# Altium PCB Traffic_Lignt_CU.PcbDoc (part 1 of 3) (continued)
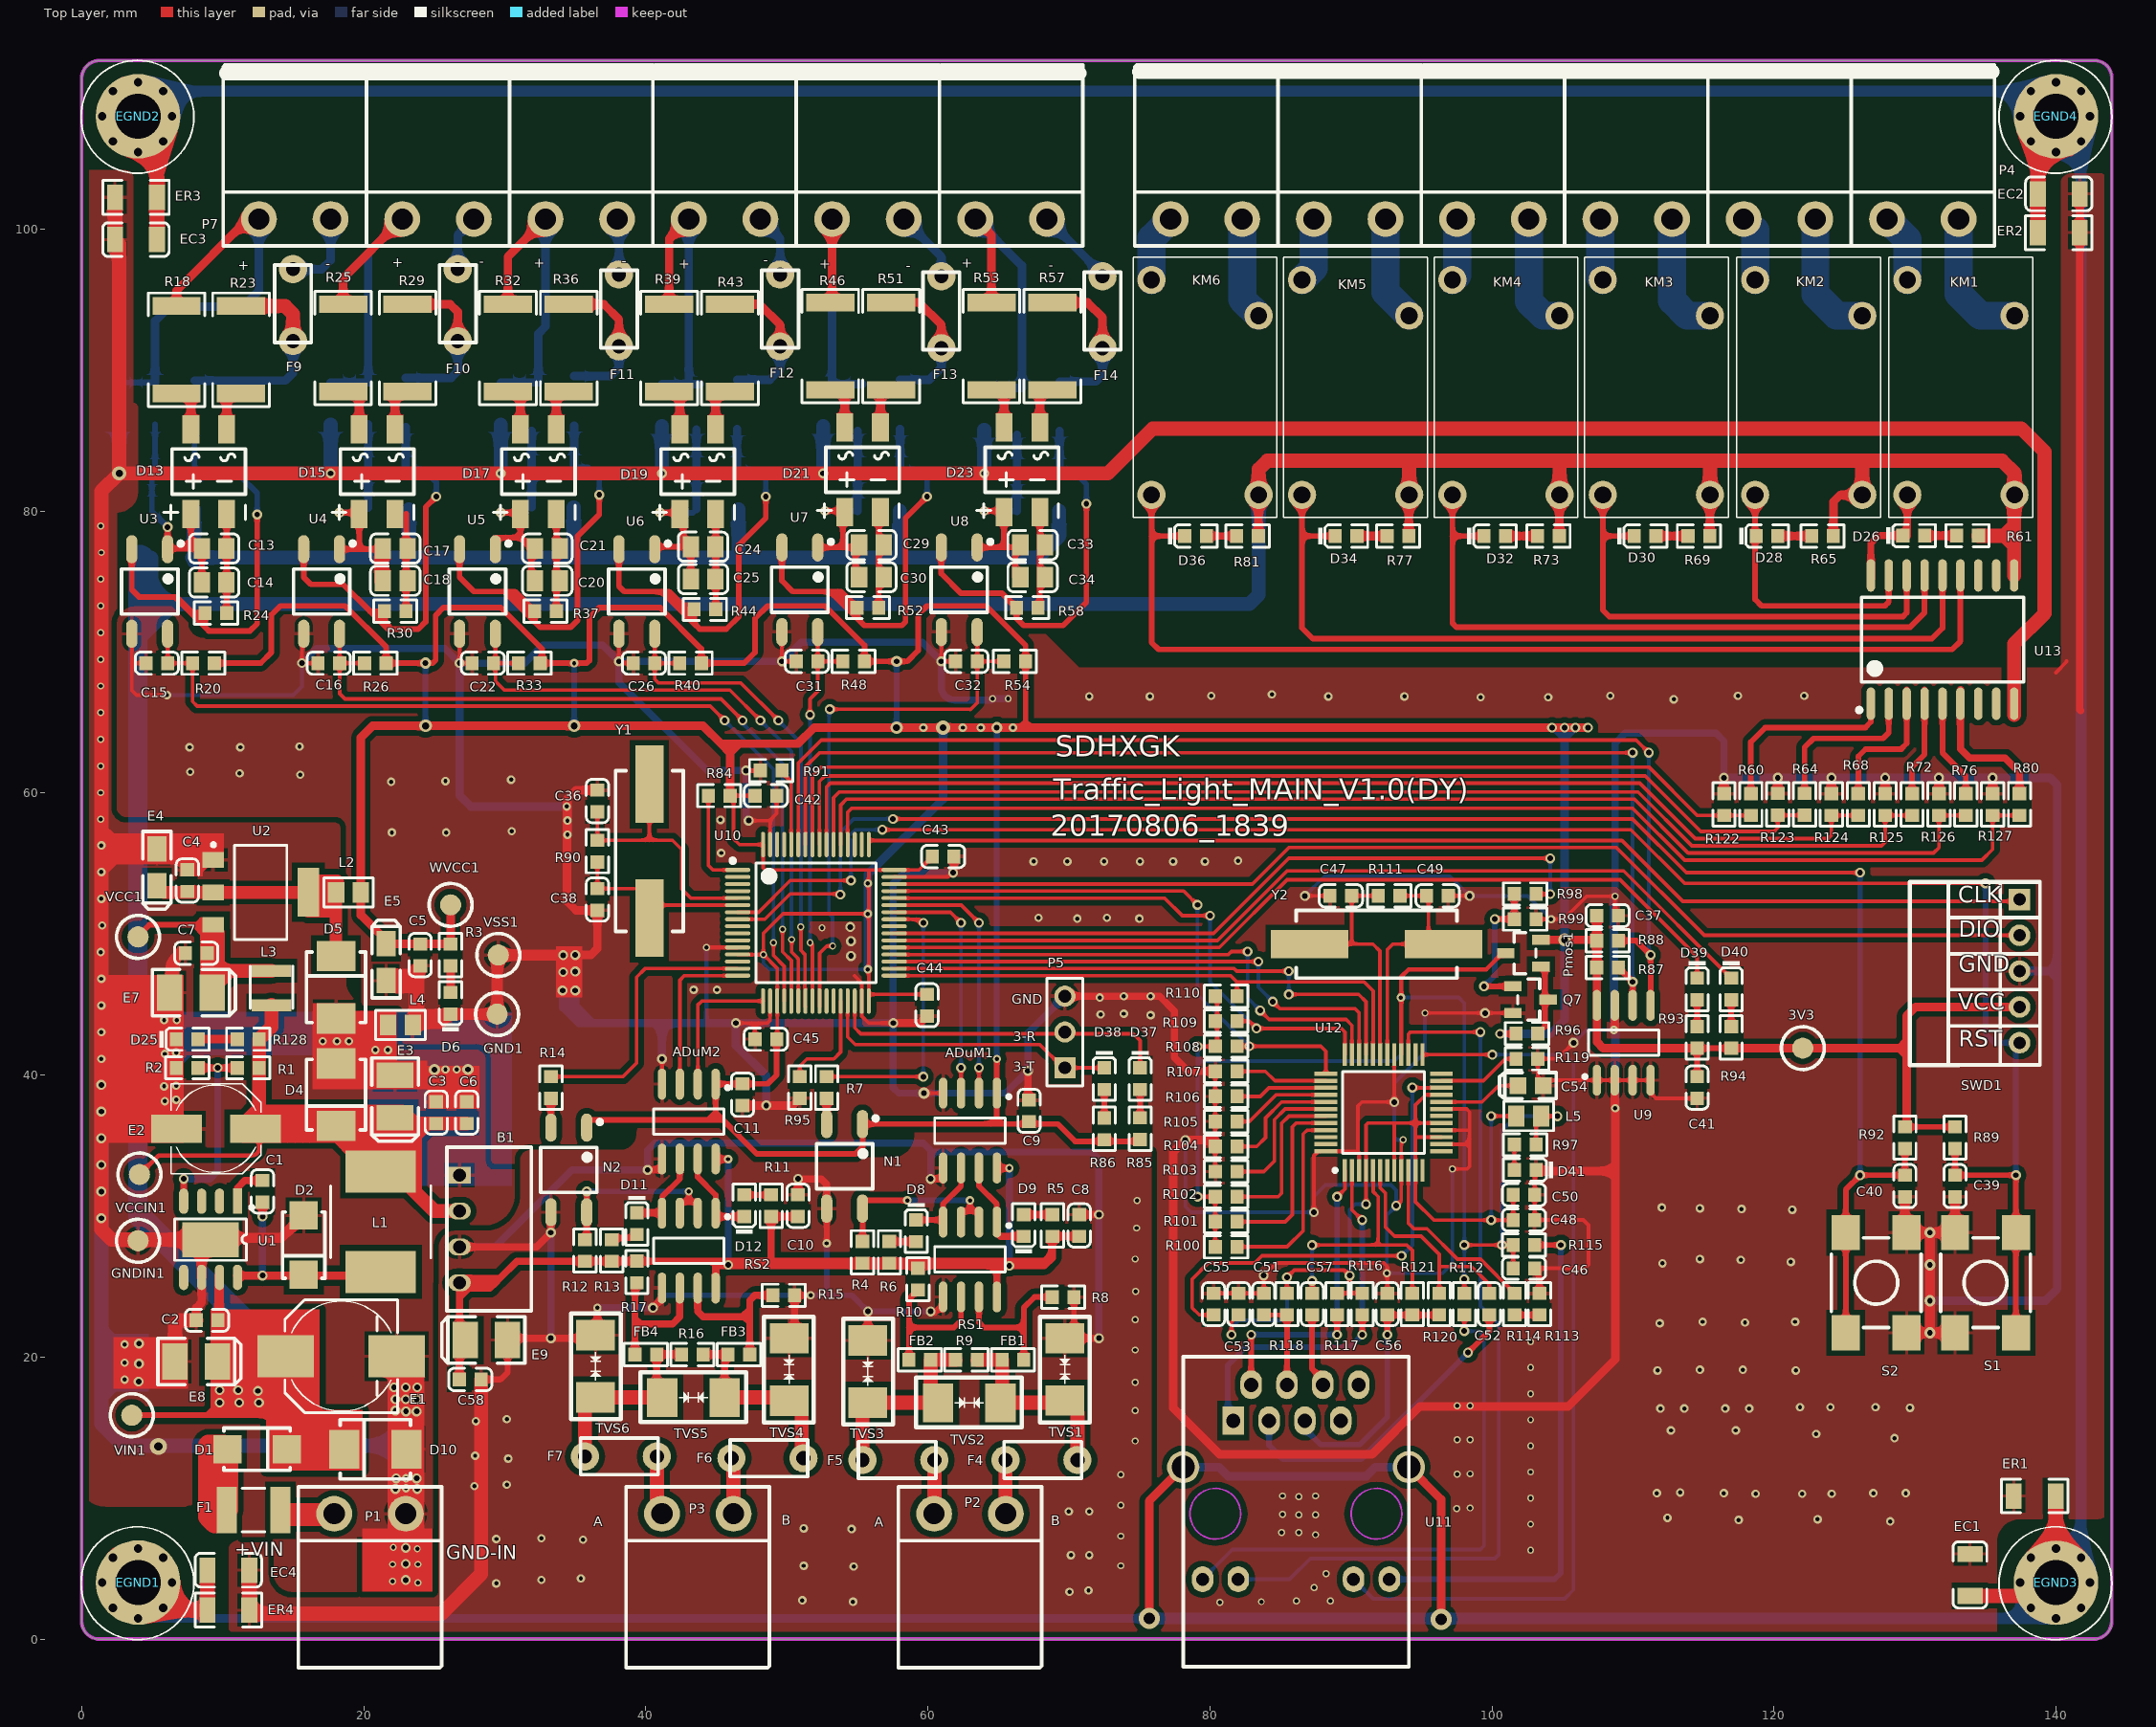
[diagram p0: Top Layer view]
## Components (designator, comment, footprint, x,y, rotation, side; value= is the part's Value field where it differs from the comment) (continued)
EGND2 "EGND" H-6-3.2m#2 4,108 r0 top
EGND3 "EGND" H-6-3.2m#2 140,4 r0 top
EGND4 "EGND" H-6-3.2m#2 140,108 r0 top
ER1 "1M" LC-1206_R 138.5,10.15 r180 top
ER2 "1M" LC-1206_R 140.2,99.75 r0 top
ER3 "1M" LC-1206_R 3.85,102.25 r180 top
ER4 "1M" LC-1206_R 10.4,2.05 r0 top
F1 "Fuse2" 1812 12.192,9.144 r180 top
F4 "JK250-120U" ntc250v 70.612,12.7 r180 top
F5 "JK250-120U" ntc250v 55.372,12.7 r0 top
F6 "JK250-120U" ntc250v 51.181,12.827 r180 top
F7 "JK250-120U" ntc250v 35.687,12.954 r0 top
F8 "Fuse1" LC-1206_R 6.35,76.708 r0 bottom
F9 "JK250-120U" ntc250v 14.986,97.155 r270 top
F10 "JK250-120U" ntc250v 26.67,97.155 r270 top
F11 "JK250-120U" ntc250v 38.1,96.774 r270 top
F12 "JK250-120U" ntc250v 49.53,96.774 r270 top
F13 "JK250-120U" ntc250v 60.96,96.647 r270 top
F14 "JK250-120U" ntc250v 72.39,96.647 r270 top
FB1 "0R" LC-0603_L 66.04,19.812 r0 top
FB2 "0R" LC-0603_L 59.436,19.812 r180 top
FB3 "0R" LC-0603_L 46.609,20.185 r0 top
FB4 "0R" LC-0603_L 40.005,20.185 r180 top
GND1 "CHECK" CHECK-B 29.464,44.323 r90 top
GNDIN1 "CHECK" CHECK-B 4,28.25 r180 top
KM1 "HK4100F-DC12-S" JCZ-32F 129.413,81.153 r90 top locked
KM2 "HK4100F-DC12-S" JCZ-32F 118.618,81.153 r90 top locked
KM3 "HK4100F-DC12-S" JCZ-32F 107.823,81.153 r90 top
KM4 "HK4100F-DC12-S" JCZ-32F 97.155,81.153 r90 top locked
KM5 "HK4100F-DC12-S" JCZ-32F 86.487,81.153 r90 top locked
KM6 "HK4100F-DC12-S" JCZ-32F 75.819,81.153 r90 top locked
L1 "Inductor" L-SMD-7 21.209,29.591 r90 top
L2 "Inductor" LC-0805_L 18.923,52.959 r0 top
L3 "22uh" L-SMD-3012 13.462,46.228 r90 top
L4 "Inductor" LC-0805_L 22.606,43.561 r0 top
L5 "1uH" LC-0805_L 102.616,37.092 r180 top
N1 "EL357" lc-sop-4_P2.54 54.102,33.528 r270 top
N2 "EL357" lc-sop-4_P2.54 34.544,33.274 r270 top
P1 "Header 2" D5.08-2P 17.907,8.89 r0 top
P2 "Header 2" D5.08-2P 60.452,8.89 r0 top
P3 "Header 2" D5.08-2P 41.148,8.89 r0 top
P4 "Header 12" F5.08-12P 133.096,100.711 r180 top locked
P5 "Header 3" HDR1X3 69.723,40.513 r90 top
P7 "12 HEADER" KF2EDG508-12 40.513,100.711 r0 top locked
Pmos1 "SI2301" LC-SOT-23(SOT-23-3) 102.235,48.649 r0 top
Q7 "S8050" LC-SOT-23(SOT-23-3) 102.743,45.347 r180 top
R1 "10K" LC-0603_R 11.811,40.513 r0 top
R2 "3.24K" LC-0603_R 7.493,40.513 r180 top
R3 "10K" LC-0603_R 26.162,48.514 r270 top
R4 "1K" LC-0603_R 55.372,27.432 r90 top
R5 "1K" LC-0603_R 68.834,29.337 r270 top
R6 "1K" LC-0603_R 57.277,27.432 r90 top
R7 "510R" LC-0603_R 52.832,39.116 r270 top
R8 "1K" LC-0603_R 69.596,24.257 r180 top
R9 "120R" LC-0603_R 62.738,19.812 r0 top
R10 "1K" LC-0603_R 59.309,25.527 r90 top
R11 "1K" LC-0603_R 48.895,30.734 r270 top
R12 "1K" LC-0603_R 35.687,27.559 r90 top
R13 "1K" LC-0603_R 37.592,27.559 r90 top
R14 "510R" LC-0603_R 33.274,39.116 r270 top
R15 "1K" LC-0603_R 49.784,24.376 r180 top
R16 "120R" LC-0603_R 43.307,20.185 r0 top
R17 "1K" LC-0603_R 39.37,26.035 r90 top
R18 "4302/1W" LC-2512_R 6.731,91.44 r270 top
R19 "Res1" LC-1206_R 6.477,80.137 r0 bottom
R20 "10K" LC-0603_R 8.636,69.215 r0 top
R21 "Res1" LC-1206_R 5.207,87.63 r90 bottom
R22 "Res1" LC-1206_R 2.54,87.63 r90 bottom
R23 "4302/1W" LC-2512_R 11.303,91.44 r270 top
R24 "1K" LC-0603_R 9.525,72.771 r0 top
R25 "4302/1W" LC-2512_R 18.542,91.567 r270 top
R26 "10K" LC-0603_R 20.828,69.215 r0 top
R27 "Res1" LC-1206_R 21.717,80.137 r180 bottom
R28 "Res1" LC-1206_R 20.32,87.63 r90 bottom
R29 "4302/1W" LC-2512_R 23.114,91.567 r270 top
R30 "1K" LC-0603_R 22.239,72.898 r0 top
R31 "Res1" LC-1206_R 17.653,87.63 r90 bottom
R32 "4302/1W" LC-2512_R 30.226,91.567 r270 top
R33 "10K" LC-0603_R 31.75,69.215 r0 top
R34 "Res1" LC-1206_R 33.401,80.264 r180 bottom
R35 "Res1" LC-1206_R 32.385,87.63 r90 bottom
R36 "4302/1W" LC-2512_R 34.544,91.567 r270 top
R37 "1K" LC-0603_R 32.893,72.898 r0 top
R38 "Res1" LC-1206_R 29.718,87.63 r90 bottom
R39 "4302/1W" LC-2512_R 41.656,91.567 r270 top
R40 "10K" LC-0603_R 43.18,69.215 r0 top
R41 "Res1" LC-1206_R 45.085,80.137 r180 bottom
R42 "Res1" LC-1206_R 43.815,87.503 r90 bottom
R43 "4302/1W" LC-2512_R 45.974,91.567 r270 top
R44 "1K" LC-0603_R 44.196,73.025 r0 top
R45 "Res1" LC-1206_R 41.148,87.503 r90 bottom
R46 "4302/1W" LC-2512_R 53.086,91.694 r270 top
R47 "Res1" LC-1206_R 56.515,80.01 r0 bottom
R48 "10K" LC-0603_R 54.737,69.342 r0 top
R49 "Res1" LC-1206_R 55.372,87.503 r90 bottom
R50 "Res1" LC-1206_R 52.578,87.503 r90 bottom
R51 "4302/1W" LC-2512_R 57.404,91.694 r270 top
R52 "1K" LC-0603_R 55.753,73.152 r0 top
R53 "4302/1W" LC-2512_R 64.516,91.694 r270 top
R54 "10K" LC-0603_R 66.167,69.342 r0 top
R55 "Res1" LC-1206_R 67.818,80.01 r180 bottom
R56 "Res1" LC-1206_R 66.675,87.249 r90 bottom
R57 "4302/1W" LC-2512_R 68.834,91.694 r270 top
R58 "1K" LC-0603_R 67.056,73.152 r0 top
R59 "Res1" LC-1206_R 64.008,87.249 r90 bottom
R60 "200R" LC-0603_R 118.364,59.19 r270 top
R61 "1K" LC-0603_R 133.731,78.254 r180 top
R64 "200R" LC-0603_R 122.174,59.198 r270 top
R65 "1K" LC-0603_R 123.444,78.232 r180 top
R68 "200R" LC-0603_R 125.984,59.19 r270 top
R69 "1K" LC-0603_R 114.681,78.232 r180 top
R72 "200R" LC-0603_R 129.794,59.19 r270 top
R73 "1K" LC-0603_R 104.013,78.232 r180 top
R76 "200R" LC-0603_R 133.604,59.19 r270 top
R77 "1K" LC-0603_R 93.345,78.232 r180 top
R80 "200R" LC-0603_R 137.414,59.19 r270 top
R81 "1K" LC-0603_R 82.677,78.232 r180 top
R84 "0R" LC-0603_R 45.212,59.817 r180 top
R85 "10K" LC-0603_R 75.057,36.195 r90 top
R86 "10K" LC-0603_R 72.517,36.187 r90 top
R87 "10K" LC-0603_R 108.204,47.625 r0 top
R88 "10K" LC-0603_R 108.204,49.53 r0 top
R89 "10K" LC-0603_R 132.842,35.56 r90 top
R90 "1M" LC-0603_R 36.576,55.88 r90 top
R91 "10K" LC-0603_R 48.895,61.595 r0 top
R92 "10K" LC-0603_R 129.286,35.56 r90 top
R93 "1K" LC-0603_R 114.554,42.672 r90 top
R94 "1K" LC-0603_R 116.967,42.672 r90 top
R95 "10K" LC-0603_R 50.927,39.116 r90 top
R96 "10K" LC-0603_R 102.489,42.934 r180 top
R97 "1K" LC-0603_R 102.362,35.06 r0 top
R98 "2K" LC-0603_R 102.362,52.84 r0 top
R99 "10K" LC-0603_R 102.362,51.062 r180 top
R100 "10K" LC-0603_R 81.153,27.821 r0 top
R101 "10K" LC-0603_R 81.153,29.599 r0 top
R102 "10K" LC-0603_R 81.153,31.377 r0 top
R103 "10K" LC-0603_R 81.153,33.155 r0 top
R104 "10K" LC-0603_R 81.153,34.933 r0 top
R105 "10K" LC-0603_R 81.153,36.711 r0 top
R106 "10K" LC-0603_R 81.153,38.489 r0 top
R107 "10K" LC-0603_R 81.153,40.267 r0 top
R108 "10K" LC-0603_R 81.153,42.045 r0 top
R109 "10K" LC-0603_R 81.153,43.823 r0 top
R110 "10K" LC-0603_R 81.153,45.601 r0 top
R111 "1M" LC-0603_R 92.718,52.717 r180 top
R112 "1K" LC-0603_R 98.044,23.757 r90 top
R113 "10K" LC-0603_R 103.378,23.757 r90 top
R114 "2.4K" LC-0603_R 101.6,23.757 r270 top
R115 "1K" LC-0603_R 102.274,27.948 r180 top
R116 "49R9" LC-0603_R 90.805,23.757 r270 top
R117 "49R9" LC-0603_R 89.027,23.757 r270 top
R118 "10R" LC-0603_R 85.471,23.757 r270 top
R119 "10K" LC-0603_R 102.489,41.156 r0 top
R120 "82R" LC-0603_R 96.266,23.757 r270 top
R121 "82R" LC-0603_R 94.361,23.757 r270 top
R122 "2K" LC-0603_R 116.459,59.19 r90 top
R123 "2K" LC-0603_R 120.269,59.198 r90 top
R124 "2K" LC-0603_R 124.079,59.19 r90 top
R125 "2K" LC-0603_R 127.889,59.19 r90 top
R126 "2K" LC-0603_R 131.699,59.19 r90 top
R127 "2K" LC-0603_R 135.509,59.19 r90 top
R128 "1K" LC-0603_R 11.811,42.545 r180 top
RS1 "MAX3085E" SOIC-8 62.992,26.924 r270 top
RS2 "MAX3085E" SOIC-8 43.053,27.551 r270 top
S1 "SW-PB4" SW_PB4_A1 135.001,25.273 r90 top
S2 "SW-PB4" SW_PB4_A1 127.254,25.273 r90 top
SWD1 "Header 5" SWD-5 145.542,49.911 r0 top
TVS1 "P6KE6.8CA" TVS 69.723,16.891 r90 top
TVS2 "P6KE6.8CA" TVS 60.706,16.764 r0 top
TVS3 "P6KE6.8CA" TVS 55.753,21.209 r270 top
TVS4 "P6KE6.8CA" TVS 50.165,16.883 r90 top
TVS5 "P6KE6.8CA" TVS 41.148,17.137 r0 top
TVS6 "P6KE6.8CA" TVS 36.449,21.582 r270 top
U1 "TPS5430" TPS5430 11.049,31.115 r270 top
U2 "ASM1117" SOT223 12.7,52.959 r270 top
U3 "EL357N(B)(TA)-G" LC-SOP-4_P2.54 4.826,74.295 r270 top
U4 "EL357N(B)(TA)-G" LC-SOP-4_P2.54 17.018,74.295 r270 top
U5 "EL357N(B)(TA)-G" LC-SOP-4_P2.54 28.067,74.295 r270 top
U6 "EL357N(B)(TA)-G" LC-SOP-4_P2.54 39.37,74.295 r270 top
U7 "EL357N(B)(TA)-G" LC-SOP-4_P2.54 50.927,74.422 r270 top
U8 "EL357N(B)(TA)-G" LC-SOP-4_P2.54 62.23,74.422 r270 top
U9 "AT24C256CSSHLT" SOIC-8 109.347,42.291 r90 top
U10 "STM32F103RET6-64" LC-LQFP-64_10x10x05P 52.07,50.8 r270 top
U11 "HR911105A" HR911105A 94.107,12.192 r270 top locked
U12 "W5500" LQFP48 92.329,37.346 r180 top locked
U13 "ULN2803" LC-SOIC-18_300mil 131.953,70.888 r0 top
VCC1 "CHECK" CHECK-B 4,49.8 r90 top
VCCIN1 "CHECK" CHECK-B 4.1,32.95 r180 top
VIN1 "CHECK" CHECK-B 3.556,15.875 r90 top
VSS1 "CHECK" CHECK-B 29.55,48.514 r90 top
WVCC1 "CHECK" CHECK-B 26.162,52.07 r180 top
Y1 "X49SM8MSD2SI" LC-HC-49SMD 40.259,55.88 r90 top
Y2 "25MHz" LC-HC-49SMD 91.821,49.276 r0 top

## Footprints (in the part's own frame and the unit in brackets; to place one, negate y for a bottom-side part, rotate by r counter-clockwise, add the part's x,y. Pads: shape width x height; smd on the part's side, far side on the other; paste and mask are expansions set on the pad)
1812 [mm] "Chip Capacitor, Body 4.5x3.2mm, I"
  rect 1.4x3.3 smd: 1(-1.9,0) 2(1.9,0)
  silkscreen extent -0.8,-1.55 0.8,1.55, body extent -2.4,-1.7 2.4,1.7, height 1.4
B0505D-1WR2 [mm]
  rect 1.2x1.6 hole 0.9: 1(0,0)
  oval 1.2x1.6 hole 0.9: 2(2.54,0) 3(5.08,0) 4(7.62,0)
  silkscreen extent -1.99,-0.9 9.61,5.1
C-RB-SD6 [mm] "贴片"
  rect 3.6x2 smd: 1(-2.794,0) 2(2.794,0)
  silkscreen extent -3.2,-3.2 3.2,3.2
C-RB-SD8 [mm] "贴片"
  rect 4x3 smd: 1(-3.937,0) 2(3.937,0)
  silkscreen extent -4,-4 4,4, body extent -3.95,-3.99 4.02,3.99, height 8
CHECK-B [mm]
  round 1.5 smd: 1(0,0)
  silkscreen extent -1.52,-1.52 1.52,1.52
D5.08-2P [mm]
  round 2.54 hole 1.5: 1(0,0) 2(5.08,0)
  silkscreen extent -2.54,-10.92 7.62,1.91
F5.08-12P [mm]
  round 2.54 hole 1.5: 1(0,0) 2(5.08,0) 3(10.16,0) 4(15.24,0) 5(20.32,0) 6(25.4,0) 7(30.48,0) 8(35.56,0) 9(40.64,0) 10(45.72,0) 11(50.8,0) 12(55.88,0)
  silkscreen extent -2.54,-10.92 58.42,1.91
H-6-3.2m#1 [mm]
  round 6 hole 3.2: 0(0.009,0.009)
  silkscreen extent -4.04,-4.04 3.96,3.96
H-6-3.2m#2 [mm]
  round 6 hole 3.2: 0(0,0)
  silkscreen extent -4.04,-4.04 3.96,3.96
HDR1X3 [mm] "Connector; Heade"
  rect 1.5x1.5 hole 0.9: 1(0,0)
  round 1.5 hole 0.9: 2(2.54,0) 3(5.08,0)
  silkscreen extent -1.27,-1.27 6.35,1.27
HR911105A [mil]
  rect 80x60 hole 40: 1(-130,-490)
  oval 80x60 hole 40: 2(-230,-440) 3(-130,-390) 4(-230,-340) 5(-130,-290) 6(-230,-240) 7(-130,-190) 8(-230,-140)
  oval 72x60 hole 36: 9(312.91,-575.63) 10(312.91,-476) 11(312.91,-154.13) 12(312.91,-54)
  round 90 hole 65: 13(-0.08,-629.76) 14(-0.08,0.16)
  Keep-Out Layer circle w5: c130,-90 r70.8
  Keep-Out Layer circle w5: c130,-540 r70.8
  silkscreen extent -309,-630 557,0
JCZ-32F [mm]
  round 2 hole 1.2: 1(0,-7.645) 2(0,-0.045) 3(12.7,-7.645) 4(15.24,-0.045)
  silkscreen extent -1.6,-8.95 16.84,1.25
KF2EDG508-12 [mm]
  round 2.54 hole 1.5: 1(27.94,0) 2(22.86,0) 3(17.78,0) 4(12.7,0) 5(7.62,0) 6(2.54,0) 7(-2.54,0) 8(-7.62,0) 9(-12.7,0) 10(-17.78,0) 11(-22.86,0) 12(-27.94,0)
  silkscreen extent -30.48,-1.91 30.48,10.92
L-SMD-7 [mm]
  rect 3x5 smd: 1(-3.556,0) 2(3.556,0)
  silkscreen extent -2.54,-3.56 2.54,3.56, body extent -3.56,-3.56 3.56,3.56, height 4
L-SMD-3012 [mm]
  rect 0.85x2.8 smd: 1(-1.27,0) 2(1.168,0)
  silkscreen extent -1.5,-1.5 1.5,1.5, body extent -1.8,-1.6 1.7,1.6, height 4
LC-0603_C [mm]
  rect 0.93x0.98 smd: 1(-0.77,0) 2(0.77,0)
  silkscreen extent -1.53,-0.79 1.54,0.79, body extent -0.8,-0.4 0.8,0.4, height 0.3
LC-0603_L [mm]
  rect 0.93x0.98 smd: 1(-0.77,0) 2(0.77,0)
  silkscreen extent -1.53,-0.79 1.54,0.79, body extent -0.82,-0.41 0.83,0.41, height 0.46
LC-0603_LED_S1 [mm]
  rect 0.93x0.98 smd: A(0.77,0) K(-0.77,0)
  silkscreen extent -1.98,-0.79 1.54,0.79, body extent -0.8,-0.4 0.8,0.4, height 0.6
LC-0603_R [mm]
  rect 0.93x0.98 smd: 1(-0.77,0) 2(0.77,0)
  silkscreen extent -1.54,-0.79 1.54,0.79, body extent -0.85,-0.4 0.85,0.4, height 0.56
LC-0805_C [mm]
  rect 1.16x1.47 smd: 1(-0.875,0) 2(0.875,0)
  silkscreen extent -1.76,-1.04 1.76,1.04, body extent -1,-0.62 1,0.62, height 0.77
LC-0805_L [mm]
  rect 1.16x1.47 smd: 1(-0.875,0) 2(0.875,0)
  silkscreen extent -1.76,-1.04 1.76,1.03, body extent -1.02,-0.64 1.03,0.64, height 0.6
LC-1206_C [mm]
  rect 1.13x1.8 smd: 1(-1.49,0) 2(1.49,0)
  silkscreen extent -2.36,-1.2 2.35,1.2, body extent -1.6,-0.81 1.6,0.79, height 1
LC-1206_R [mm]
  rect 1.13x1.8 smd: 1(-1.49,0) 2(1.49,0)
  silkscreen extent -2.36,-1.2 2.35,1.2, body extent -1.7,-0.86 1.65,0.87, height 0.85
LC-2512_R [mm]
  rect 1.25x3.42 smd: 1(-3.1,0) 2(3.1,0)
  silkscreen extent -4.03,-2.01 4.02,2.01, body extent -3.16,-1.6 3.16,1.6, height 0.62
LC-CASE-A_3216 [mm]
  rect 1.8x1.35 smd: 1(1.31,0) 2(-1.31,0)
  silkscreen extent -2.54,-1 2.97,1, body extent -1.7,-0.84 1.7,0.84, height 1.71
LC-CASE-B_3528 [mm]
  rect 1.8x2.6 smd: 1(1.5,0) 2(-1.5,0)
  silkscreen extent -2.73,-1.65 3.16,1.65, body extent -1.85,-1.47 1.85,1.46, height 2.03
LC-CASE-R_2012 [mm]
  rect 1.2x1.2 smd: 1(0.9,0) 2(-0.9,0)
  silkscreen extent -1.83,-0.93 2.2,0.93, body extent -1,-0.65 1,0.65, height 1.2
LC-HC-49SMD [mm]
  rect 5.5x2 smd: 1(-4.75,0) 2(4.75,0)
  silkscreen extent -5.7,-2.4 5.7,2.4, body extent -6.7,-2.46 6.7,2.44, height 4
LC-LL-34 [mm]
  rect 0.9x1.5 smd: 1(1.75,0) 2(-1.75,0)
  silkscreen extent -1.8,-1.08 1.8,1.08
LC-LQFP-64_10x10x05P [mm]
  oval 0.28x1.8 smd mask+0.051: 1(-3.75,-5.55) 2(-3.25,-5.55) 3(-2.75,-5.55) 4(-2.25,-5.55) 5(-1.75,-5.55) 6(-1.25,-5.55) 7(-0.75,-5.55) 8(-0.25,-5.55) 9(0.25,-5.55) 10(0.75,-5.55) 11(1.25,-5.55) 12(1.75,-5.55) 13(2.25,-5.55) 14(2.75,-5.55) 15(3.25,-5.55) 16(3.75,-5.55) 33(3.75,5.55) 34(3.25,5.55) 35(2.75,5.55) 36(2.25,5.55) 37(1.75,5.55) 38(1.25,5.55) 39(0.75,5.55) 40(0.25,5.55) 41(-0.25,5.55) 42(-0.75,5.55) 43(-1.25,5.55) 44(-1.75,5.55) 45(-2.25,5.55) 46(-2.75,5.55) 47(-3.25,5.55) 48(-3.75,5.55)
  oval 1.8x0.28 smd mask+0.051: 17(5.55,-3.75) 18(5.55,-3.25) 19(5.55,-2.75) 20(5.55,-2.25) 21(5.55,-1.75) 22(5.55,-1.25) 23(5.55,-0.75) 24(5.55,-0.25) 25(5.55,0.25) 26(5.55,0.75) 27(5.55,1.25) 28(5.55,1.75) 29(5.55,2.25) 30(5.55,2.75) 31(5.55,3.25) 32(5.55,3.75) 49(-5.55,3.75) 50(-5.55,3.25) 51(-5.55,2.75) 52(-5.55,2.25) 53(-5.55,1.75) 54(-5.55,1.25) 55(-5.55,0.75) 56(-5.55,0.25) 57(-5.55,-0.25) 58(-5.55,-0.75) 59(-5.55,-1.25) 60(-5.55,-1.75) 61(-5.55,-2.25) 62(-5.55,-2.75) 63(-5.55,-3.25) 64(-5.55,-3.75)
  silkscreen extent -4.55,-6.05 4.25,4.25
LC-MBS [mm]
  rect 2x1.2 smd: 1(3,-1.27) 2(-3,1.27) 3(3,1.27) 4(-3,-1.27)
  silkscreen extent -3.4,-2.6 1.6,3.2
LC-SMA(DO-214AC)_S1 [mm]
  rect 2x2 smd: 1(2.1,0) 2(-2.1,0)
  silkscreen extent -2.35,-1.5 2.35,1.5
LC-SMB(DO-214AA)_S1 [mm]
  rect 2.159x2.743 smd: 1(2.21,0) 2(-2.21,0)
  silkscreen extent -2.5,-2.1 2.5,2.1
LC-SOIC-18_300mil [mm]
  oval 0.6x2.3 smd: 1(-5.08,-4.55) 2(-3.81,-4.55) 3(-2.54,-4.55) 4(-1.27,-4.55) 5(0,-4.55) 6(1.27,-4.55) 7(2.54,-4.55) 8(3.81,-4.55) 9(5.08,-4.55) 10(5.08,4.55) 11(3.81,4.55) 12(2.54,4.55) 13(1.27,4.55) 14(0,4.55) 15(-1.27,4.55) 16(-2.54,4.55) 17(-3.81,4.55) 18(-5.08,4.55)
  silkscreen extent -6.05,-5.15 5.75,3
lc-sop-4_P2.54 [mm]
  oval 2x0.8 smd: 1(-3,1.27) 2(-3,-1.27) 3(3,-1.27) 4(3,1.27)
  silkscreen extent -3.55,-2 1.6,2.35
LC-SOP-4_P2.54 [mm]
  oval 2x0.8 smd: 1(-3,1.27) 2(-3,-1.27) 3(3,-1.27) 4(3,1.27)
  silkscreen extent -3.55,-2 1.6,2.35
LC-SOT-23(SOT-23-3) [mm]
  rect 1.25x0.7 smd: 1(1.25,-0.95) 2(1.25,0.95) 3(-1.25,0)
  silkscreen extent -0.65,-1.46 0.9,1.46, body extent -1.5,-1.5 1.5,1.5, height 1.3
LQFP48 [mm]
  rect 0.3x1.6 smd: 1(2.75,4.1) 2(2.25,4.1) 3(1.75,4.1) 4(1.25,4.1) 5(0.75,4.1) 6(0.25,4.1) 7(-0.25,4.1) 8(-0.75,4.1) 9(-1.25,4.1) 10(-1.75,4.1) 11(-2.25,4.1) 12(-2.75,4.1) 25(-2.75,-4.1) 26(-2.25,-4.1) 27(-1.75,-4.1) 28(-1.25,-4.1) 29(-0.75,-4.1) 30(-0.25,-4.1) 31(0.25,-4.1) 32(0.75,-4.1) 33(1.25,-4.1) 34(1.75,-4.1) 35(2.25,-4.1) 36(2.75,-4.1)
  rect 1.6x0.3 smd: 13(-4.1,2.75) 14(-4.1,2.25) 15(-4.1,1.75) 16(-4.1,1.25) 17(-4.1,0.75) 18(-4.1,0.25) 19(-4.1,-0.25) 20(-4.1,-0.75) 21(-4.1,-1.25) 22(-4.1,-1.75) 23(-4.1,-2.25) 24(-4.1,-2.75) 37(4.1,-2.75) 38(4.1,-2.25) 39(4.1,-1.75) 40(4.1,-1.25) 41(4.1,-0.75) 42(4.1,-0.25) 43(4.1,0.25) 44(4.1,0.75) 45(4.1,1.25) 46(4.1,1.75) 47(4.1,2.25) 48(4.1,2.75)
  silkscreen extent -2.9,-2.9 3.57,4.22
ntc250v [mm]
  round 2 hole 1: 1(0,0) 2(5.1,0)
  silkscreen extent -0.3,-1.3 5.2,1.3
SOIC-8 [mm]
  oval 2.2x0.6 smd: 1(-2.654,1.905) 2(-2.654,0.635) 3(-2.654,-0.635) 4(-2.654,-1.905) 5(2.654,-1.905) 6(2.654,-0.635) 7(2.654,0.635) 8(2.654,1.905)
  silkscreen extent -2.52,-2.5 0.9,2.88, body extent -3,-2.45 3,2.45, height 1.7
SOT223 [mm]
  rect 1.1x1.55 smd: 1(-2.3,-3.375) 2(0,-3.375) 3(2.3,-3.375)
  rect 3.45x1.55 smd: 4(0,3.375)
  silkscreen extent -3.5,-3.48 3.35,1.85, body extent -3.25,-3.48 3.25,3.48, height 1.7
SW_PB4_A1 [mm]
  rect 2.5x2 smd: 1(-3.556,2.159) 2(-3.556,-2.159) 3(3.556,-2.159) 4(3.556,2.159)
  silkscreen extent -3.17,-3.17 3.17,3.17, body extent -3.18,-3.18 3.18,3.18, height 6
SWD-5 [mil]
  rect 60.63x60 hole 35: 1(-320,100)
  oval 60.63x60 hole 35: 2(-320,0) 3(-320,-100) 4(-320,-200) 5(-320,-300)
  silkscreen extent -627,-362 -263,150
TPS5430 [mm]
  rect 1.8x0.65 smd: 1(0.061,0)
  oval 1.8x0.65 smd: 2(0.061,-1.27) 3(0.061,-2.54) 4(0.061,-3.81) 5(5.461,-3.81) 6(5.461,-2.54) 7(5.461,-1.27) 8(5.461,0)
  rect 2.5x4 smd: 9(2.794,-1.905)
  silkscreen extent 0.39,-4.44 4.25,1.14, body extent -0.21,-4.35 5.79,0.55, height 1.7
TVS [mil]
  rect 85x107.99 smd: 1(0.98,0) 2(175,0)
  silkscreen extent -60,-69 235,70

## Part data
3V3: library part CHE, "测试点"
C1 C2 C4 C5 C6 C7 C37 C40 C41 C42 C43 C44 C45 C48 C50 C51 C52 C53 C55 C56 C57: library part CAP, "Capacitor"
C3 C12 C13 C14 C15 C16 C17 C18 C19 C20 C21 C22 C23 C24 C25 C26 C27 C28 C29 C30 C31 C32 C33 C34 C35 C36 C38 C39 C46 C47 C49 C58 EC1 EC2 EC3 EC4: library part Cap, "Capacitor"
C8 C9 C10 C11: library part CAP
C54: library part "Cap Pol3", "Polarized Capacitor (Surface Mount)"
D1: library part D, "二极管"
D2: library part Dio, "稳压二极管"
D4 D5 D10: library part ZENER3, "Zener Diode"
D6: library part "0603 红灯", "发光二极管"
D8 D9 D11 D12 D37 D38 D39 D40 D41: library part 0, "发光二极管"
D13 D15 D17 D19 D21 D23: library part "MBS M", "整流桥"
D14 D16 D18 D20 D22 D24: library part Diode, "Default Diode"
D26 D28 D30 D32 D34 D36: library part "0603 蓝灯", "发光二极管"
E1 E2 E3 E4 E5 E7 E9: library part ELECTRO2, "Electrolytic Capacitor"
E8: "Electrolytic Capacitor"
ER1 ER2 ER3 ER4 R1 R2 R4 R5 R6 R7 R11 R12 R13 R14 R91 R95: library part RES2
F1: "可恢复保险丝"
F4 F5 F6 F7 F9 F10 F11 F12 F13 F14: library part F, "保险丝"
F8: library part Fus, "保险丝"
FB1 FB2 FB3 FB4 R3 R18 R20 R23 R24 R25 R26 R29 R30 R32 R33 R36 R37 R39 R40 R43 R44 R46 R48 R51 R52 R53 R54 R57 R58 R60 R61 R64 R65 R68 R69 R72 R73 R76 R77 R80 R81 R84 R85 R86 R87 R88 R89 R90 R96 R97 R100 R101 R102 R103 R104 R105 R106 R107 R108 R109 R110 R111 R112 R113 R114 R115 R116 R117 R118 R119 R120 R121 R122 R123 R124 R125 R126 R127 R128: library part Res2, "Resistor"
GND1 GNDIN1 VCC1 VCCIN1 VIN1 VSS1 WVCC1: library part C, "测试点"
KM1 KM2 KM3 KM4 KM5 KM6: library part RELAY-HK4100F, "单刀双掷继电器"
L1 L2 L3 L4: library part Ind, "电感"
L5: library part Inductor, "Inductor"
N1 N2: library part ST188, "反射式光电传感器"
P1: "接插件"
P2 P3: library part He, "接插件"
P4: "Header, 12-Pin"
P5: "Header, 3-Pin"
P7: "12 Pin Header"
Pmos1: library part N-M
Q7: library part NPN
R8 R9 R10 R15 R16 R17 R98 R99: library part RES
R19 R21 R22 R27 R28 R31 R34 R35 R38 R41 R42 R45 R47 R49 R50 R55 R56 R59: "贴片电阻"
R92: library part res1, "Resistor"
R93 R94: library part R, "贴片电阻"
S1: library part SW-, "微动开关"
S2: "微动开关"
SWD1: "Header, 5-Pin"
TVS1 TVS2 TVS3 TVS4 TVS5 TVS6: library part TVS, "TVS"
U2: library part ASM1, "3.3V稳压芯片"
U3 U4 U5 U6 U7 U8: library part EL357N(B), "贴片光耦"
U9: library part AT24C02, "EEROM存储器"
U10: library part STM32F103RBT6
U12: "W5500以太网芯片"
Y1 Y2: library part XTAL, "Crystal Oscillator"

## Via types
v1: diameter 0.7, hole 0.4, Top Layer to Bottom Layer, 172 vias
v2: diameter 0.6, hole 0.3, Top Layer to Bottom Layer, 164 vias
v3: diameter 0.5, hole 0.3, Top Layer to Bottom Layer, 78 vias
v4: diameter 0.8, hole 0.6, Top Layer to Bottom Layer, 32 vias
v5: diameter 0.8, hole 0.4, Top Layer to Bottom Layer, 10 vias
v6: diameter 0.9, hole 0.5, Top Layer to Bottom Layer, 4 vias
v7: diameter 1.5, hole 0.8, Top Layer to Bottom Layer, 2 vias
v8: diameter 1, hole 0.5, Top Layer to Bottom Layer, 2 vias
v9: diameter 1.2, hole 0.6, Top Layer to Bottom Layer, 1 vias

## Nets (pads, with @x,y where several pads share a name; then routed paths per layer and width w, separated by ;. In a path a pad name is that pad's centre, name@x,y a point inside that pad or via, vN(x,y) a via of type N, cw(c..) or ccw(c..) an arc to the next point about the centre after c; other vN are vias at no path point)
3V3: 3V3.1 ADuM1.1 ADuM2.1 C5.2 C9.2 C11.2 C37.1 C41.2 C42.2 C43.2 C44.2 C45.2 E5.1 L2.2 N1.1 N2.1 Pmos1.2 R3.1 R20.2 R26.2 R33.2 R40.2 R48.2 R54.2 R84.1 R85.1 R86.1 R87.1 R88.1 R89.2 R92.2 R93.1 R94.1 R96.2 SWD1.4 U9.8 U10.13 U10.19 U10.32 U10.48 U10.64 WVCC1.1 | length 479.3
  Top Layer w0.254: U10.13@46.52,48.55 v3@48.1,48.55 ; C42.2@47.744,59.817 46.228,59.817 46.228,56.769 46.647,56.35 U10.64@48.32,56.35 48.32,54.677 48.447,54.55 U10.48@57.62,54.55 59.368,54.55 C43.2@60.317,55.499 ; C45.2@49.32,42.962 U10.19@49.32,45.25 49.32,47.574 v3(48.344,48.55) ; U10.32@55.82,45.25 U10.32@55.82,45.72 ; 55.82,54.483 v2@55.82,51.368 ; C44.2@59.944,45.728 55.828,45.728 U10.32@55.82,45.72 ; v3@48.1,48.55 v3(48.344,48.55) ; v3@48.1,48.55 48.3,48.75 v3@48.344,48.75 ; v3(48.344,48.55) v3@48.344,48.75 ; v3@48.344,48.75 48.344,50.044 49.735,51.435 v2(55.753,51.435) v2@55.82,51.368 ; U10.32@55.82,45.72 v2@55.82,51.368
  Top Layer w0.4: R20.2@9.406,69.215 12.7,69.215 13.462,69.977 13.462,72.644 14.097,73.279 18.669,73.279 21.598,70.35 R26.2@21.598,69.215 v5(24.384,69.215) 24.892,69.215 25.1,69.423 25.1,72.6 25.652,73.152 29.718,73.152 32.647,70.223 R33.2@32.647,69.215 ; R33.2@32.52,69.215 R33.2@32.647,69.215 ; N2.1@35.814,36.83 44.45,36.83 ; R40.2@43.942,69.469 43.942,70.231 41.021,73.152 36.702,73.152 36,72.45 36,69.401 35.814,69.215 v2(34.925,69.215) R33.2@32.647,69.215 ; R40.2@43.95,69.215 46.99,69.215 47.752,69.977 47.752,72.39 48.641,73.279 52.705,73.279 55.507,70.477 R48.2@55.507,69.342 v5(57.785,69.342) 58.547,69.342 59.309,70.104 59.309,72.644 59.944,73.279 64.135,73.279 66.937,70.477 R54.2@66.937,69.342 66.937,65.024 ; ADuM2.1@44.958,39.357 44.958,37.338 ; ADuM2.1@45.085,39.37 C11.2@47.117,39.37 ; C11.2@46.863,39.378 48.649,39.378 49.284,40.013 C45.2@49.284,42.545 ; N1.1@55.372,36.401 55.372,34.925 54.864,34.417 47.879,34.417 45.466,36.83 ; N1.1@55.372,36.528 64.468,36.528 ; v2(64.897,41.148) ADuM1.1@64.897,38.722 64.897,36.957 ; 66.548,64.643 66.556,64.643 66.937,65.024 ; 67.056,64.643 66.937,64.762 66.937,65.024 ; 67.437,64.643 67.318,64.643 66.937,65.024 ; R85.1@75.057,35.544 74.819,35.306 70.444,35.306 69.222,36.528 65.326,36.528 ; v1(100.584,42.926) 101.711,42.926 R96.2@101.719,42.934 ; C41.2@114.554,39.886 R93.1@114.554,41.902 R94.1@116.967,41.902 ; R92.2@129.405,36.33 R89.2@132.842,36.33 ; 44.45,36.83 44.958,37.338 ; 44.45,36.83 44.704,36.83 ; 44.704,36.83 44.958,37.084 44.958,37.338 ; 44.704,36.83 45.466,36.83 ; 44.958,37.338 45.466,36.83 ; 64.468,36.528 64.897,36.957 ; 64.468,36.528 65.326,36.528 ; 64.897,36.957 65.326,36.528
  Top Layer w0.6: WVCC1.1@26.162,52.07 R3.1@26.162,49.284 26.13,49.316 E5.1@21.59,49.316 21.59,49.56 19.798,51.352 L2.2@19.798,52.959 19.798,63.948 20.62,64.77 v6(24.384,64.77) v6(34.925,64.77) 44.069,64.77 45.339,63.5 ; R84.1@45.982,59.817 45.982,62.857 ; 45.982,63.492 45.982,62.857 ; 66.548,64.643 v2(66.04,64.643) v5(64.897,64.643) v2(63.754,64.643) v2(62.484,64.643) v8(61.087,64.643) v2(59.69,64.643) v6(57.785,64.643) 51.943,64.643 50.8,63.5 46.625,63.5 ; 66.556,64.643 67.056,64.643 67.318,64.643 ; 67.437,64.643 v1(104.267,64.643) v1(105.156,64.643) v1(105.918,64.643) v1(106.807,64.643) ; Pmos1.2@103.485,49.599 v6(105.156,49.599) R88.1@107.373,49.599 ; C37.1@107.442,51.3 U9.8@107.442,44.945 107.442,42.358 107.898,41.902 R93.1@114.554,41.902 ; R94.1@116.967,41.902 128.905,41.902 ; R92.2@129.405,36.33 129.405,41.402 ; SWD1.4@137.414,44.831 130.048,44.831 129.405,44.188 129.405,42.402 ; 45.339,63.5 45.982,62.857 ; 45.339,63.5 46.625,63.5 ; 45.982,62.857 46.625,63.5 ; 128.905,41.902 129.405,41.402 ; 128.905,41.902 129.405,41.902 ; 128.905,41.902 129.405,42.402 ; 129.405,41.402 129.405,41.902 ; 129.405,41.902 129.405,42.402
  Bottom Layer w0.254: v3(48.344,48.55) 48.344,47.906 48.752,47.498 v2(55.753,47.498)
  Bottom Layer w0.4: v6(24.384,64.77) v5(24.384,69.215) ; v6(34.925,64.77) v2(34.925,69.215) ; v6(57.785,64.643) v5(57.785,69.342) ; v2(64.897,41.148) v5(64.897,64.643)
  Bottom Layer w0.6: v2(55.753,47.498) v2(55.753,53.594) 55.753,54.229 61.087,59.563 v8(61.087,64.643) ; v2(59.69,64.643) v8(61.087,64.643) ; v2(66.04,64.643) v5(64.897,64.643) v2(63.754,64.643) v2(62.484,64.643) v8(61.087,64.643) ; v1(100.584,42.926) 104.14,42.926 105.156,43.942 v6(105.156,49.599) 105.156,63.9 ; v1(104.267,64.643) v1@104.413,64.643 ; v1(106.807,64.643) v1(105.918,64.643) v1@105.899,64.643 ; v1@104.413,64.643 v1(105.156,64.643) ; v1@104.413,64.643 105.156,63.9 ; 105.156,63.9 v1(105.156,64.643) ; 105.156,63.9 v1@105.899,64.643 ; v1(105.156,64.643) v1@105.899,64.643
/INT: R109.2 U10.44 U12.36 | length 41.9
  Top Layer w0.254: U10.44@57.62,52.55 76.8,52.55 78.042,51.308 v1(80.01,51.308) ; R109.2@81.923,43.823 82.804,43.823 83.32,43.307 89.317,43.307 89.579,43.045 U12.36@89.579,41.446
  Bottom Layer w0.254: v1(80.01,51.308) 80.01,46.609 v1(83.312,43.307)
/RESET: R108.2 U10.45 U12.37 | length 41.5
  Top Layer w0.254: U10.45@57.62,53.05 78.141,53.05 v1(79.121,52.07) ; R108.2@81.923,42.045 v1(82.804,42.045) 87.876,42.045 88.229,41.692 U12.37@88.229,40.096
  Bottom Layer w0.254: v1(79.121,52.07) 79.121,45.728 v1(82.804,42.045)
/SPI_SCS: R110.2 U10.33 U12.32 | length 39.9
  Top Layer w0.254: U10.33@57.62,47.05 81.474,47.05 81.923,46.601 R110.2@81.923,45.601 ; 81.915,46.609 90.932,46.609 91.579,45.962 U12.32@91.579,41.446
A3.3V: C48.2 C50.2 C53.1 L5.2 R116.1 R117.1 R118.1 U12.4 U12.8 U12.11 U12.15 U12.17 U12.21 | length 67.5
  Top Layer w0.254: v1(81.534,21.59) 81.534,22.479 C53.1@82.042,22.987 ; R118.1@85.471,24.527 v1(85.471,25.654) 85.979,26.162 89.535,26.162 v1(89.916,25.781) 89.916,24.527 ; R117.1@89.027,24.527 89.916,24.527 ; R116.1@90.805,24.527 89.916,24.527 ; v1(91.079,30.841) U12.4@91.079,33.246 91.079,36.469 91.206,36.596 94.579,36.596 ; U12.8@93.079,33.246 93.079,36.576 ; 94.615,35.596 U12.15@96.429,35.596 ; U12.17@96.429,36.596 94.579,36.596 ; U12.21@96.429,38.596 95.296,38.596 94.579,37.879 94.579,36.596 ; v1@100.084,37.092 L5.2@101.741,37.092 ; C50.2@101.504,31.504 C48.2@101.504,29.726 101.504,29.718 v1(99.949,29.718) 95.885,29.718 94.579,31.024 U12.11@94.579,33.246 94.579,36.596
  Bottom Layer w0.254: v1(81.534,21.59) 81.534,22.098 82.042,22.606 85.09,22.606 85.471,22.987 v1(85.471,25.654) ; v1(89.916,25.781) 89.916,30.444 90.313,30.841 v1(91.079,30.841) ; v1(99.949,29.718) v1(99.949,37.092)
A/D_IN1: P7.12 R18.1 R21.2 R22.2 | length 29.4
  Top Layer w0.6: R18.1@6.731,94.54 6.731,95.631 11.811,100.711 P7.12@12.573,100.711
  Bottom Layer w0.4: R22.2@2.54,89.12 R21.2@5.207,89.12
  Bottom Layer w0.6: R21.2@5.207,89.12 5.207,93.472 6.223,94.488 11.43,94.488 12.573,95.631 P7.12@12.573,100.711
A/D_IN2: F9.1 P7.11 | length 5.9
  Bottom Layer w0.6: F9.1@14.986,97.155 17.018,97.155 17.653,97.79 P7.11@17.653,100.711
A/D_IN2-2: D14.2 F9.2 R23.1 | length 15.3
  Top Layer w1: R23.1@11.303,94.54 14.426,94.54 14.986,93.98 F9.2@14.986,92.055
  Bottom Layer w0.6: D14.2@8.001,89.253 14.45,89.253 14.986,89.789 F9.2@14.986,92.055
A/D_IN3: P7.10 R25.1 R28.2 R31.2 | length 23
  Top Layer w0.6: R25.1@18.542,94.667 18.542,96.52 P7.10@22.733,100.711
  Bottom Layer w0.6: R31.2@17.653,89.12 R28.2@20.32,89.12 20.32,98.298 P7.10@22.733,100.711
A/D_IN4: F10.1 P7.9 | length 4
  Bottom Layer w0.6: F10.1@26.67,97.155 26.67,99.568 P7.9@27.813,100.711
A/D_IN4-2: D16.2 F10.2 R29.1 | length 11.9
  Top Layer w0.6: R29.1@23.114,94.667 26.133,94.667 26.67,94.13 F10.2@26.67,92.055
  Bottom Layer w0.6: D16.2@22.987,89.441 26.195,89.441 26.67,89.916 F10.2@26.67,92.055
A/D_IN5: P7.8 R32.1 R35.2 R38.2 | length 21.6
  Top Layer w0.6: R32.1@30.226,94.667 30.226,98.044 P7.8@32.893,100.711
  Bottom Layer w0.6: R38.2@29.718,89.12 R35.2@32.385,89.12 32.385,92.583 32.893,93.091 P7.8@32.893,100.711
A/D_IN6: F11.1 P7.7 | length 3.8
  Bottom Layer w0.6: F11.1@38.1,96.774 P7.7@38.1,100.584
A/D_IN6-2: D18.2 F11.2 R36.1 | length 10.9
  Top Layer w0.6: R36.1@34.544,94.667 37.032,94.667 38.1,93.599 F11.2@38.1,91.674
  Bottom Layer w0.6: D18.2@34.925,89.568 37.498,89.568 38.1,90.17 F11.2@38.1,91.674
A/D_IN7: P7.6 R39.1 R42.2 R45.2 | length 21
  Top Layer w0.6: R39.1@41.656,94.667 41.656,99.314 P7.6@43.053,100.711
  Bottom Layer w0.6: R45.2@41.148,88.993 R42.2@43.053,88.993 ; P7.6@43.053,100.711 R42.2@43.053,88.993 ; R42.2@43.815,88.993 R42.2@43.053,88.993
A/D_IN8: F12.1 P7.5 | length 4.5
  Bottom Layer w0.6: P7.5@48.133,100.711 49.53,99.314 F12.1@49.53,96.774
A/D_IN8-2: D20.2 F12.2 R43.1 | length 10.7
  Top Layer w0.6: R43.1@45.974,94.667 48.081,94.667 49.53,93.218 F12.2@49.53,91.674
  Bottom Layer w0.6: D20.2@46.482,89.314 48.801,89.314 49.53,90.043 F12.2@49.53,91.674